# Altium PCB Monitoring.PcbDoc (part 1 of 2)
Units mil, origin at the board's own origin, x right, y up, seen from the top; angles counter-clockwise.
Board outline 4310 x 2295 mil, 4 copper layers (Top Layer, Internal Plane 1, Internal Plane 2, Bottom Layer), stack 18.2 mil thick; 117 components, 83 nets, 482 pads, 104 vias.
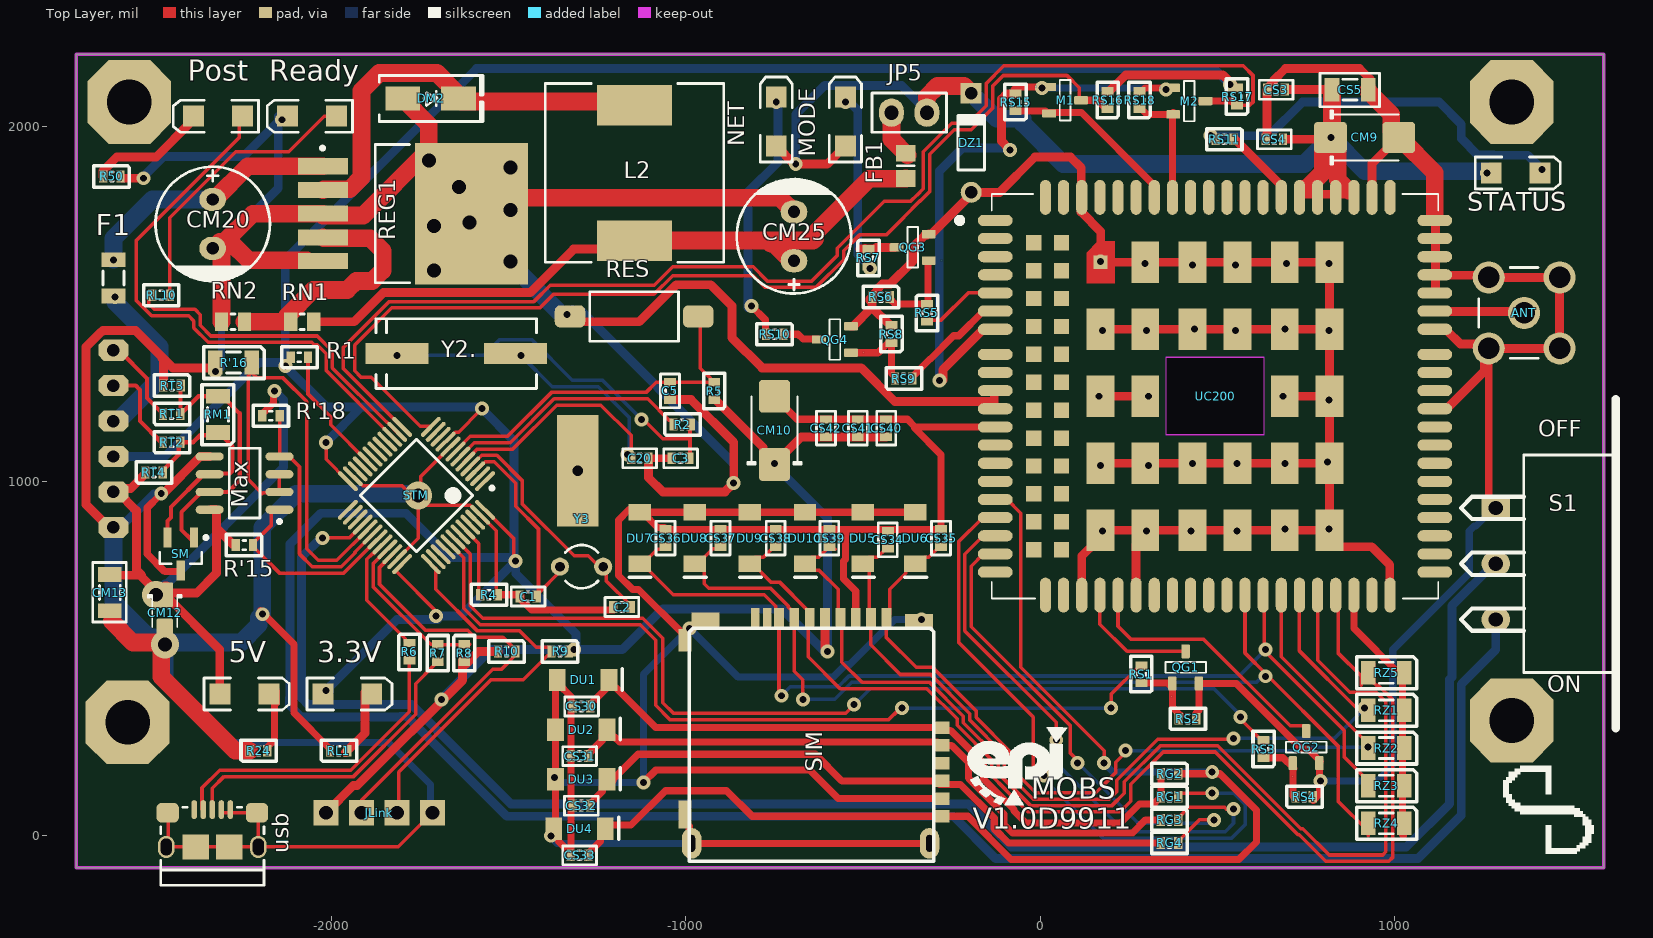
[diagram p0: Top Layer view]
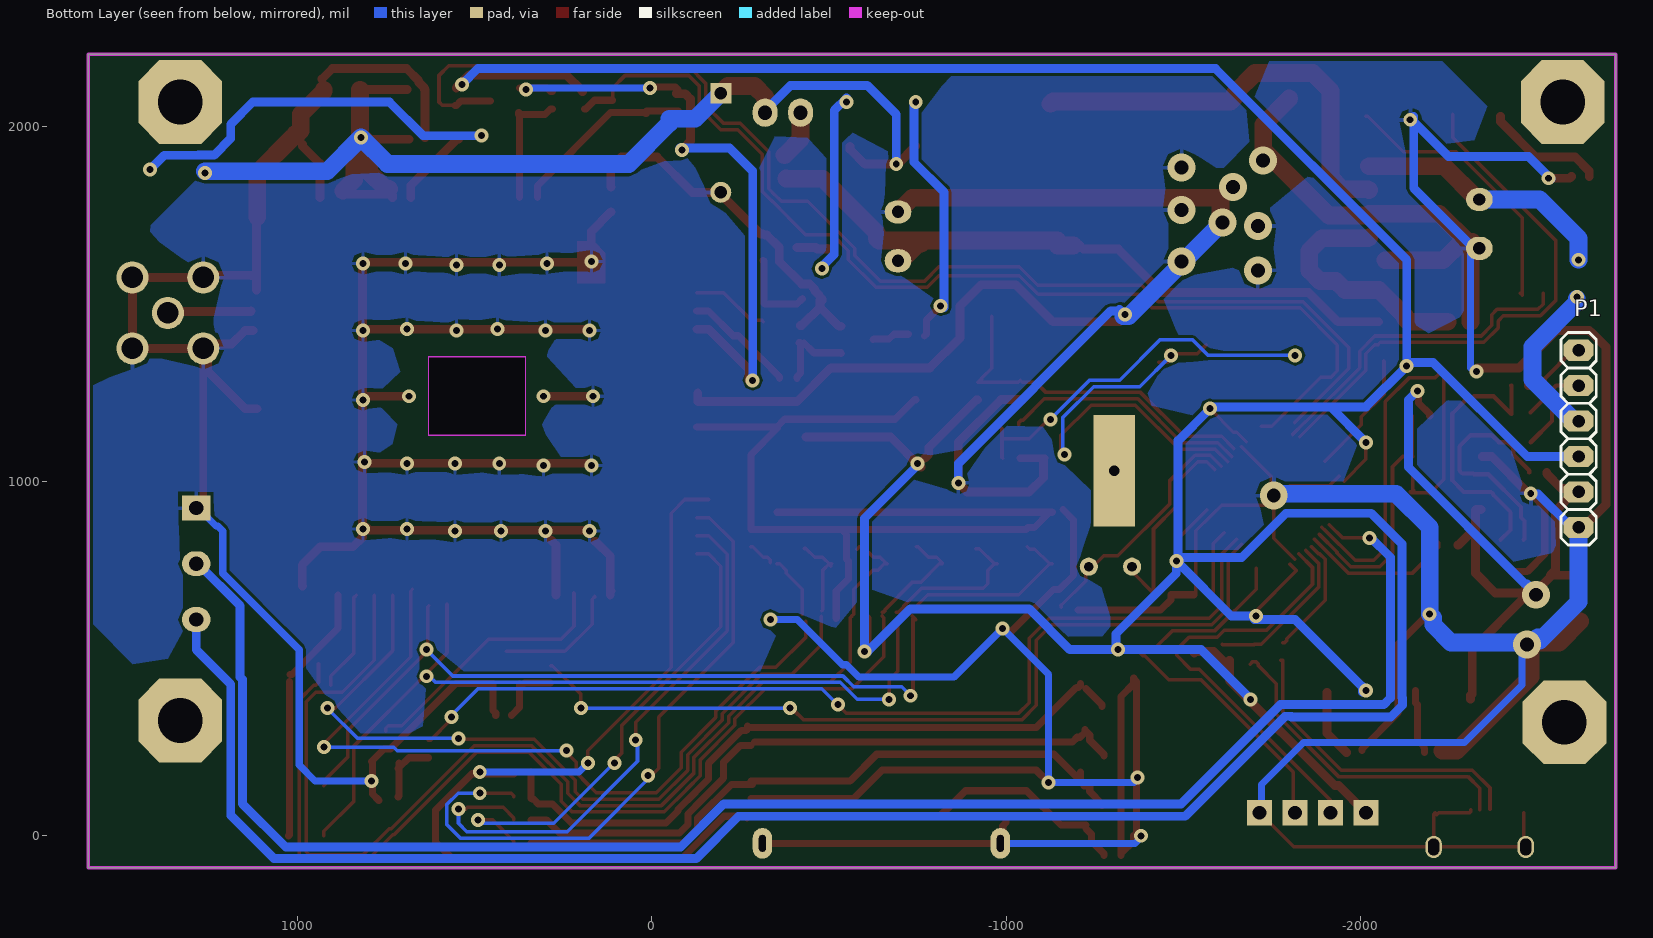
[diagram p1: Bottom Layer view, seen from below]
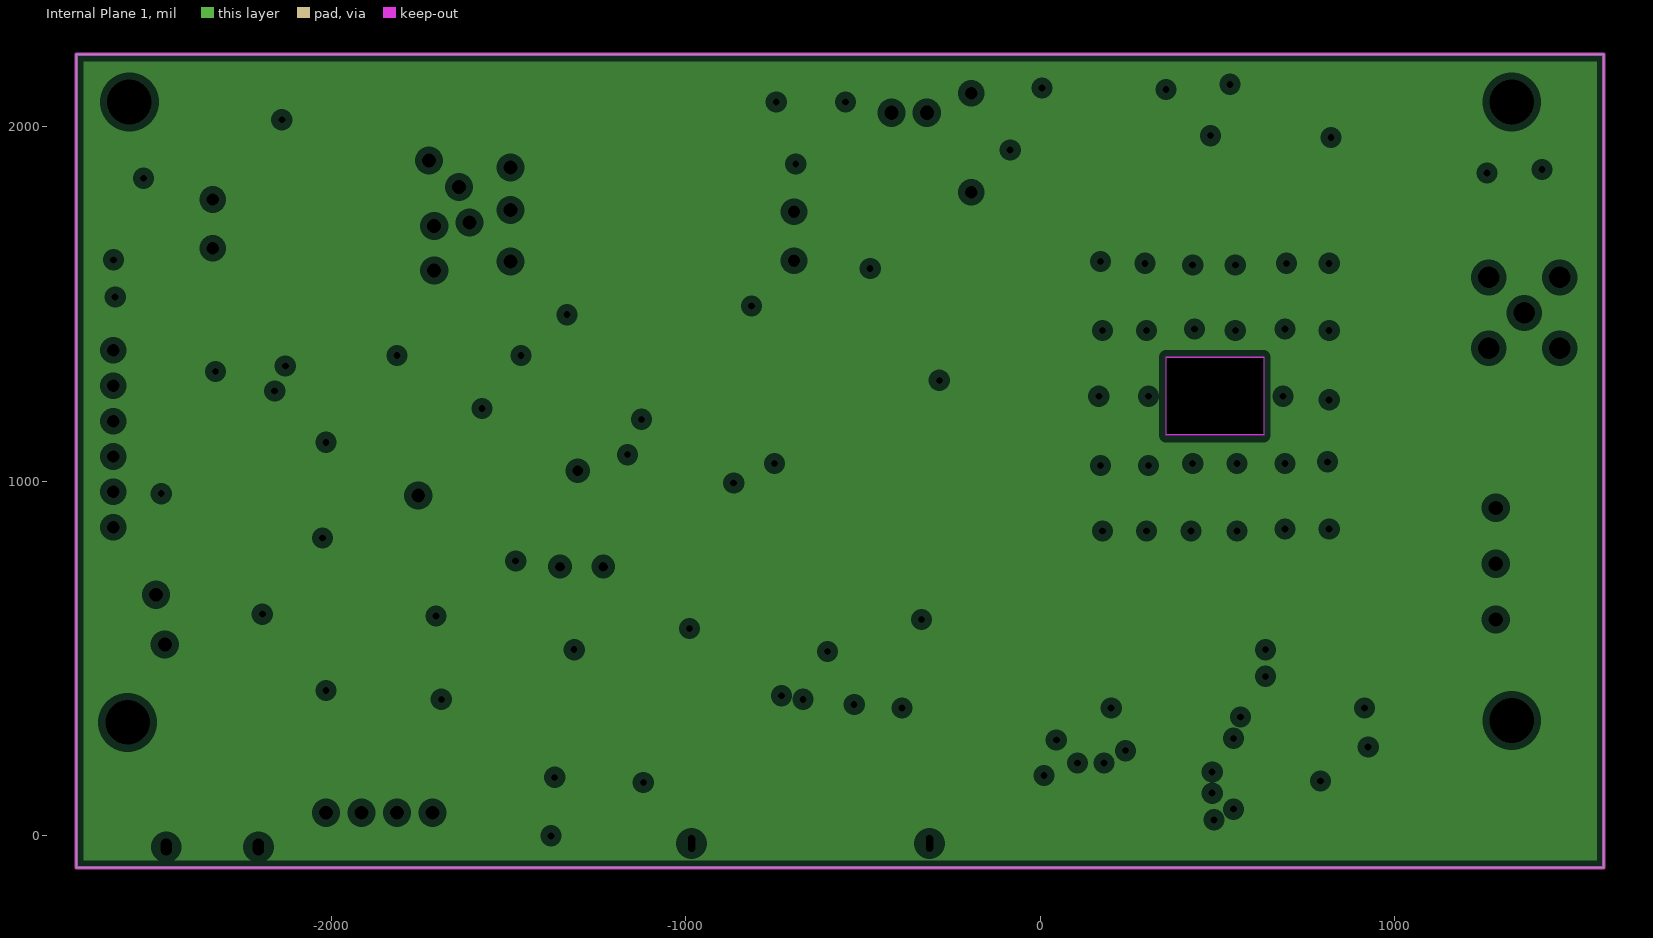
[diagram p2: Internal Plane 1, clearances drawn from the general rule]
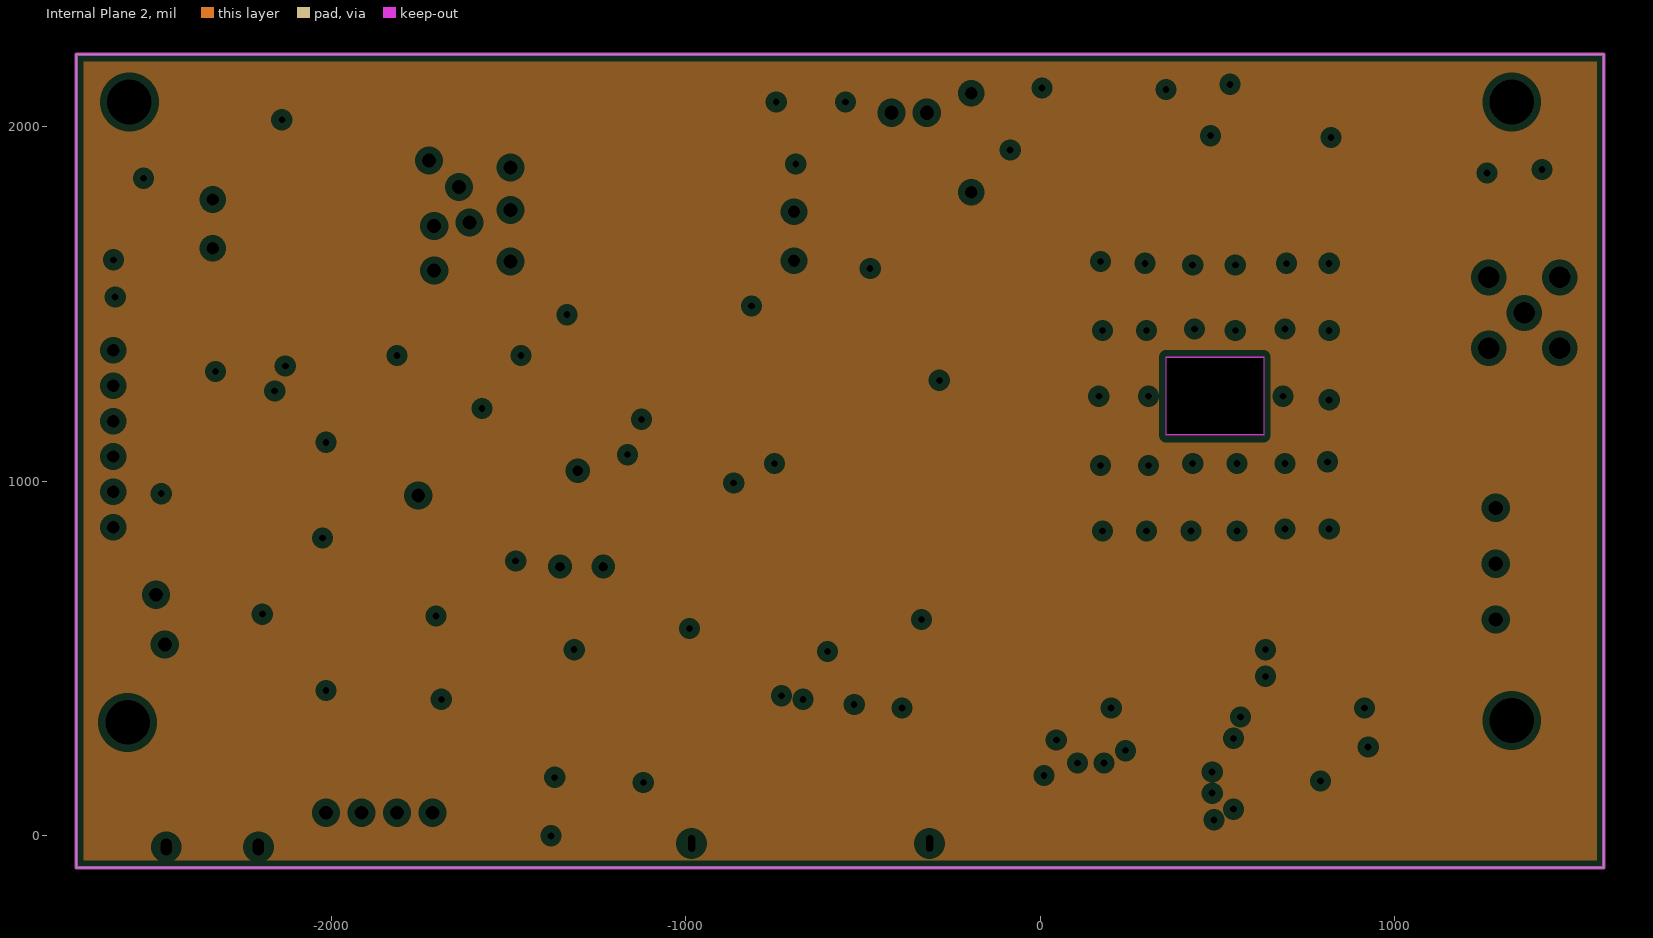
[diagram p3: Internal Plane 2, clearances drawn from the general rule]
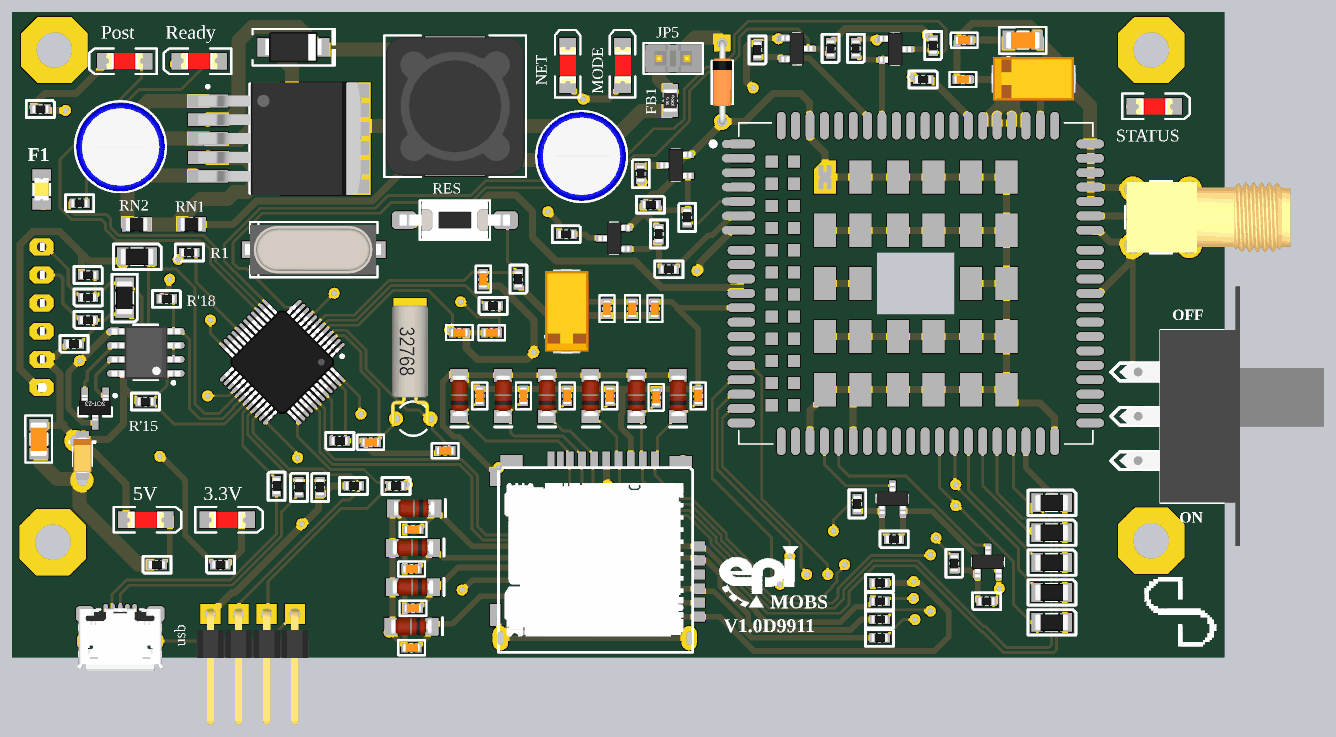
[diagram p5: 3D render of the assembled board from above, using the file's embedded part models]

## Layer stack, top to bottom
Top Solder: solder mask 0.4, Solder Resist, Dk 3.5
Top Layer: signal copper 1.4
Internal Plane 1: plane copper 1.4
Internal Plane 2: plane copper 1.4
Dielectric 1: dielectric 12.6, FR-4, Dk 4.8
Bottom Layer: signal copper 1.4
Bottom Solder: solder mask 0.4, Solder Resist, Dk 3.5

## Board outline
-2720,-90 -2720,2205 1590,2205 1590,-90
cut-out: 355,1350 630,1350 630,1130 355,1130

## Design rules (kind name [scope] priority, off if disabled: settings)
Clearance [All] p1: gap=7.87 ignorepadtopadclearanceinfootprint=FALSE except(0: Arc-Hole Track-Hole SMDPad-Hole THPad-Hole Via-Hole Fill-Hole Poly-Hole Region-Hole Text-Hole)
HoleSize [All] p1: absolutevalues=TRUE maxlimit=200 minlimit=1 maxpercent=80.000 minpercent=20.000
MinimumSolderMaskSliver [All] p1 off: minsoldermaskwidth=10
PlaneClearance [All] p1: clearance=20
PlaneConnect [All] p1: planeconnectstyle=Relief reliefexpansion=20 reliefentries=4 reliefconductorwidth=10 reliefairgap=10
PolygonConnect [All] p1: connectstyle=Relief reliefconductorwidth=10 reliefentries=4 polygonreliefangle="90 Angle" airgapwidth=10
RoomDefinition GSM [InComponentClass('GSM')] p1: confinementstyle=ConfineOut formatcopy=TRUE lockcomponents=FALSE outline 7000,3545 9225,3545 9225,2021.26 7000,2021.26
RoomDefinition Communication [InComponentClass('Communication')] p2: confinementstyle=ConfineOut formatcopy=TRUE lockcomponents=FALSE outline 6290,256.26 4450,256.26 4450,780 6290,780
RoomDefinition "Power GSM" [InComponentClass('Power GSM')] p3: confinementstyle=ConfineOut formatcopy=TRUE lockcomponents=FALSE outline -1830,4100 -2585,4100 -2585,2920 -1830,2920
RoomDefinition MCU [InComponentClass('MCU')] p4: confinementstyle=ConfineOut formatcopy=TRUE lockcomponents=FALSE outline -1220,3030 -635,3030 -635,2310 -1220,2310
RoomDefinition "Input Connector" [InComponentClass('Input Connector')] p5: confinementstyle=ConfineOut formatcopy=TRUE lockcomponents=FALSE outline -525,2505 -525,4240 725,4240 725,2505
RoutingVias [All] p1: holewidth=23.62 width=39.37 viastyle="Through Hole" minholewidth=19.68 minwidth=30 maxholewidth=43.31 maxwidth=82.68
SilkToBoardRegionClearance [All] p1 off:
SilkToSolderMaskClearance [IsPad] p1 off: minsilkscreentomaskgap=1 clearancetoexposedcopper=TRUE
SolderMaskExpansion [All] p1: expansion=4
Width [All] p1: maxlimit=100 minlimit=10 preferedwidth=10 minimp=50.000000 maximp=50.000000 favimp=50.000000
24 further rules are at their usual default settings.

## Classes and differential pairs
component class GSM: ANT CM10 CS30 CS31 CS32 CS33 CS34 CS35 CS36 CS37 CS38 CS39 CS40 CS41 CS42 DU1 DU2 DU3 DU4 DU5 DU6 DU7 DU8 DU9 DU10 M1 M2 MODE NET Post QG1 QG2 QG3 QG4 R50 Ready RG1 RG2 RG3 RG4 RL10 RS1 RS2 RS3 RS4 RS5 RS6 RS7 RS8 RS9 RS10 RS11 RS15 RS16 RS17 RS18 RZ1 RZ2 RZ3 RZ4 RZ5 SIM STATUS UC200
component class "Power GSM": CM9 CM20 CM25 CS3 CS4 CS5 DM2 DZ1 F1 FB1 JP5 L2 REG1 RN1 RN2
component class MCU: C1 C2 C3 C5 C20 JLink R1 R2 R4 R5 R6 R7 R8 R9 R10 RES S1 STM usb Y2. Y3
component class "Input Connector": 3.3V 5V P1 R24 RL1
component class Communication: CM12 CM13 Max R'15 R'16 R'18 RM1 RT1 RT2 RT3 RT4 SM

## Components (designator, comment, footprint, x,y, rotation, side; value= is the part's Value field where it differs from the comment)
3.3V "GREEN" "LED SMD 1206" -1955,400 r0 top
5V "RED" "LED SMD 1206" -2245,400 r0 top
ANT "SMA" "MOLEX SD-73100-0114" 1365,1475 r0 top
C1 "10pF" SMD_CAP_0603 -1445,675 r0 top
C2 "10pF" SMD_CAP_0603 -1180,645 r0 top
C3 "20pF" SMD_CAP_0603 -1015,1065 r180 top
C5 "1uF" SMD_CAP_0603 -1045,1255 r270 top
C20 "20pF" SMD_CAP_0603 -1130,1065 r0 top
CM9 "100uF" CAPMP6032X280N 915,1970 r0 top
CM10 "10uF" CAPMP6032X280N -750,1143.74 r90 top
CM12 "10uF" CAPMP3216X180N -2470,628.54 r270 top
CM13 "100nF" SMD_CAP_1206 -2625,737.2 r270 top
CM20 "100uF" "cap 03" -2335,1726.1 r90 top
CM25 "1000uF" "cap 03" -695,1691.1 r270 top
CS3 "33pF" SMD_CAP_0603 665,2105 r180 top
CS4 "10pF" SMD_CAP_0603 660,1965 r180 top
CS5 "100nF" SMD_CAP_1206 822.8,2105 r0 top
CS30 "33pF" SMD_CAP_0603 -1294.5,364.92 r180 top
CS31 "33pF" SMD_CAP_0603 -1300,224.95 r180 top
CS32 "33pF" SMD_CAP_0603 -1295,84.97 r180 top
CS33 "100nF" SMD_CAP_0603 -1300,-55 r180 top
CS34 "15pF" SMD_CAP_0603 -430,835 r90 top
CS35 "15pF" SMD_CAP_0603 -280,840 r90 top
CS36 "15pF" SMD_CAP_0603 -1057.35,840 r90 top
CS37 "15pF" SMD_CAP_0603 -901.88,840 r90 top
CS38 "15pF" SMD_CAP_0603 -746.41,840 r90 top
CS39 "15pF" SMD_CAP_0603 -595,840 r90 top
CS40 "100nF" SMD_CAP_0603 -435,1150 r270 top
CS41 "33pF" SMD_CAP_0603 -515,1150 r270 top
CS42 "33pF" SMD_CAP_0603 -605,1150 r270 top
DM2 "1N5822" "DO214AC SMA" -1720,2080 r0 top
DU1 "6.58V" Minimelf -1290,440 r0 top
DU2 "6.58V" Minimelf -1295,300.02 r0 top
DU3 "6.58V" Minimelf -1295,160.05 r0 top
DU4 "6.58V" Minimelf -1300,20.08 r0 top
DU5 "6.58V" Minimelf -500,840 r270 top
DU6 "6.58V" Minimelf -352.65,840 r270 top
DU7 "6.58V" Minimelf -1130,840 r270 top
DU8 "6.58V" Minimelf -974.53,840 r270 top
DU9 "6.58V" Minimelf -819.06,840 r270 top
DU10 "6.58V" Minimelf -663.59,840 r270 top
DZ1 "DZ5.1V 0.5W" DO-35 -195,1955 r90 top
F1 "Fuse 4A 1206" "Fuse SMD 1206" -2620,1570 r270 top
FB1 "BLM21PG" "R 0805 / 2012" -380,1890 r90 top value=220OHM
JLink "Header Male Right 1x4" "Header 1x4 male rightangle" -1815,65 r180 top
JP5 "Jumper" "Jumper Small - 2.54 - GRAY" -370,2040 r0 top
L2 "Inductor" "BOURNS SRR1280" -1145,1870 r270 top value=100uH2A
M1 "BSS138" SOT23-3 70,2075 r0 top
M2 "BSS138" SOT23-3 420.28,2072.6 r0 top
Max "MAX485ESA" SO8_NARROW_N -2245,995 r180 top
MODE "GREEN" "LED SMD 1206" -550,2015 r90 top
NET "RED" "LED SMD 1206" -745,2015 r90 top
P1 "Header 6H" "Female 6x1" -2615,1370 r270 bottom locked
Post "RED" "LED SMD 1206" -2320,2030 r180 top
QG1 "BC848" SOT23-3 410,475 r90 top
QG2 "BC848" SOT23-3 750,250 r90 top
QG3 "BC848" SOT23-3 -360,1660 r180 top
QG4 "BC848" SOT23-3 -579.72,1400 r180 top
R1 "10K" "RES 0603 (1608X06L)" -2115,1350 r0 top
R2 "390" "RES 0603 (1608X06L)" -1035,1160 r0 top
R4 "10K" "RES 0603 (1608X06L)" -1580,680 r0 top
R5 "10K" "RES 0603 (1608X06L)" -920,1230 r90 top
R6 "20R" "RES 0603 (1608X06L)" -1780,543.99 r270 top
R7 "20R" "RES 0603 (1608X06L)" -1700,540 r270 top
R8 "1.5K" "RES 0603 (1608X06L)" -1625,540 r270 top
R9 "10K" "RES 0603 (1608X06L)" -1330,520 r180 top
R10 "10K" "RES 0603 (1608X06L)" -1481.01,520 r180 top
R24 "1K" "RES 0603 (1608X06L)" -2230,240 r0 top
R50 "510" "RES 0603 (1608X06L)" -2595,1860 r180 top
R'15 "10k" "RES 0603 (1608X06L)" -2221.01,820 r180 top
R'16 "10K" "RES 1206 (3216X08L)" -2225,1335 r180 top
R'18 "10k" "RES 0603 (1608X06L)" -2146.01,1185 r180 top
Ready "GREEN" "LED SMD 1206" -2055,2030 r180 top
REG1 "LM2576-Adj" TO-263-5 -1770,1755 r0 top
RES "Button" "TE FSMSMTR" -1145.91,1465 r90 top
RG1 "20R" "RES 0603 (1608X06L)" 388.99,110 r180 top
RG2 "15K" "RES 0603 (1608X06L)" 388.99,175 r180 top
RG3 "20R" "RES 0603 (1608X06L)" 388.99,45 r180 top
RG4 "20R" "RES 0603 (1608X06L)" 388.99,-20 r180 top
RL1 "500" "RES 0603 (1608X06L)" -2003.99,240 r0 top
RL10 "470" "RES 0603 (1608X06L)" -2505,1525 r0 top
RM1 "150" "RES 1206 (3216X08L)" -2320,1137.8 r90 top
RN1 "2.2K" "RES 0805 (2012X06L)" -2050.04,1450 r180 top
RN2 "1K" "RES 0805 (2012X06L)" -2245,1450 r180 top
RS1 "4.7K" "RES 0603 (1608X06L)" 285,431.01 r90 top
RS2 "47K" "RES 0603 (1608X06L)" 391.01,330 r0 top
RS3 "4.7K" "RES 0603 (1608X06L)" 630,220 r90 top
RS4 "47K" "RES 0603 (1608X06L)" 720,110 r0 top
RS5 "4.7K" "RES 0603 (1608X06L)" -320,1500 r270 top
RS6 "47K" "RES 0603 (1608X06L)" -425,1520 r180 top
RS7 "680" "RES 0603 (1608X06L)" -485,1655 r270 top
RS8 "47K" "RES 0603 (1608X06L)" -420,1391.01 r90 top
RS9 "4.7K" "RES 0603 (1608X06L)" -410,1290 r0 top
RS10 "680" "RES 0603 (1608X06L)" -725,1415 r180 top
RS11 "2.2K" "RES 0603 (1608X06L)" 543.99,1965 r180 top
RS15 "10K" "RES 0603 (1608X06L)" -70,2045 r90 top
RS16 "10K" "RES 0603 (1608X06L)" 190,2051.01 r90 top
RS17 "10K" "RES 0603 (1608X06L)" 555,2061.01 r90 top
RS18 "10K" "RES 0603 (1608X06L)" 280,2051.01 r90 top
RT1 "20" "RES 0603 (1608X06L)" -2475,1190 r0 top
RT2 "20" "RES 0603 (1608X06L)" -2475,1110 r0 top
RT3 "1K" "RES 0603 (1608X06L)" -2425,1270 r180 top
RT4 "1K" "RES 0603 (1608X06L)" -2525,1025 r0 top
RZ1 "100K" "RES 1206 (3216X08L)" 1027.2,353.75 r180 top
RZ2 "100K" "RES 1206 (3216X08L)" 1027.2,247.5 r180 top
RZ3 "100K" "RES 1206 (3216X08L)" 1027.2,141.25 r180 top
RZ4 "100K" "RES 1206 (3216X08L)" 1027.2,35 r180 top
RZ5 "100K" "RES 1206 (3216X08L)" 1027.2,460 r180 top
S1 "Switch SPDT_Subminiator" "Switch - SPDT 15.5" 1285,767.52 r0 top
SIM "Socket_SIM_MEM" microsd&SimCardSocket -983.74,255 r270 top
SM "SM712 Diode" SOT23_BEC_M -2425,795 r270 top
STATUS "GREEN" "LED SMD 1206" 1341.1,1870 r0 top
STM "STM32F103CBT6" LQFP-48 -1760,960 r225 top
UC200 "Quectel UC200T" "Quectel UC200T" -137.09,1810.87 r0 top
usb "USB Micro" "FCI USB 10118193-0001LF" -2335.98,-29.49 r180 top
Y2. "8 MHz" "Crystal SMD" -1670,1360 r0 top
Y3 "32.768K" "XTAL RTC - Right" -1294.12,759.2 r90 top

## Footprints (in the part's own frame and the unit in brackets; to place one, negate y for a bottom-side part, rotate by r counter-clockwise, add the part's x,y. Pads: shape width x height; smd on the part's side, far side on the other; paste and mask are expansions set on the pad)
"BOURNS SRR1280" [mm] "Precision Wire Wound Inductor, 2-Leads, Body 12.50x12.50mm, IPC Medium Density"
  rect 2.9x5.4 smd: 1(-4.85,0) 2(4.85,0)
  silkscreen extent -6.4,-6.4 6.4,6.4, body extent -6.25,-6.25 6.25,6.25, height 7.9
"cap 03" [mil]
  oval 65x75 hole 35: 1(68.9,0) 2(-68.9,0)
  silkscreen extent -161,-161 161,161, body extent -159,-159 157,158, height 473
CAPMP3216X180N [mm] "Capacitor, polarized, Molded Body, EIA 535BAAC size A; 3.20mm L X 1.60mm W X 1.80mm H"
  round 0.508 on Mech15: 0(0,0)
  rrect25% 1.8x1.2 smd: 1(-1.3,0) 2(1.3,0)
  silkscreen extent -1.3,-1.2 1,1.2, body extent -1.6,-0.8 1.6,0.8, height 1.8
CAPMP6032X280N [mm] "Capacitor, polarized, Molded Body, EIA 535BAAC size C; 6.00mm L X 3.20mm W X 2.80mm H"
  round 0.508 on Mech15: 0(0,0)
  rrect25% 2.35x2.25 smd: 1(-2.45,0) 2(2.45,0)
  silkscreen extent -2.45,-1.95 2.45,1.95, body extent -3.87,-2.02 3.73,1.93, height 3.1
"Crystal SMD" [mm]
  rect 4.5x1.5 smd: 1(-3.683,0) 2(4.817,0)
  silkscreen extent -5.18,-2.5 6.32,2.5, body extent -5.64,-2.25 6.66,2.25, height 5.18
"DO214AC SMA" [mm]
  rect 2.5x1.7 smd: 1(-2,0) 2(2,0)
  silkscreen extent -3.68,-1.65 3.75,1.65, body extent -2.6,-1.37 2.6,1.37, height 2.4
DO-35 [mm] "Diode, Axial; Body 3.8 x 1.9 mm (LxDia. max), Lead Dia. 0.53 mm (max)"
  round 1.5 hole 0.9: 1(-3.55,0)
  rect 1.5x1.5 hole 0.9: 2(3.55,0)
  silkscreen extent -1.95,-0.95 2.05,0.95, body extent -3.82,-0.87 3.82,0.87, height 1.89
"FCI USB 10118193-0001LF" [mm]
  oval 0.4x1.35 smd: 1(1.3,-2.625) 2(0.65,-2.625) 3(0,-2.625) 4(-0.65,-2.625) 5(-1.3,-2.625)
  oval 1.2x1.6 hole 0.8 slot 1.2 at 90 deg: S(-3.3,0.05) S(3.3,0.05)
  rrect50% 1.6x1.4 smd: S(-3.2,-2.4) S(3.2,-2.4)
  rect 1.9x1.8 smd: S(-1.2,0.05) S(1.2,0.05)
  silkscreen extent -3.7,-2.8 3.7,2.8, body extent -3.93,-2.9 3.93,2.76, height 2.78
"Female 6x1" [mil]
  oct 60x85 hole 35: 1(0,0) 2(100,0) 3(200,0) 4(300,0) 5(400,0) 6(500,0)
  silkscreen extent -50,-50 550,50, body extent -60,-50 560,45, height 335
"Fuse SMD 1206" [mm]
  rect 1.05x1.7 smd: 1(-1.397,0.127) 2(1.199,0.127)
  silkscreen extent -0.6,-0.62 0.4,0.88, body extent -1.14,-0.51 0.89,0.76, height 0.2
"Header 1x4 male rightangle" [mm]
  rect 1.8x1.8 hole 1: 1(-2.54,0) 2(0,0) 3(2.54,0) 4(5.08,0)
  body extent -3.81,-0.38 6.35,9.98, height 2.64
"Jumper Small - 2.54 - GRAY" [mil]
  oval 70x80 hole 40: 1(-50,0) 2(50,0)
  silkscreen extent -105,-55 105,55, body extent -100,-50 100,50, height 337
"LED SMD 1206" [mm]
  rect 1.5x1.5 smd: 1(-1.75,0) 2(1.75,0)
  silkscreen extent -2.9,-1.15 3.2,1.15, body extent -1.65,-0.76 1.65,0.69, height 1.36
LQFP-48 [mm] "TSQFP, 48-Leads, Body 9,0x9,0mm (max), Pitch 0,50mm, IPC Medium Density"
  oval 1.9x0.3 smd: 1(-4.2,2.75) 2(-4.2,2.25) 3(-4.2,1.75) 4(-4.2,1.25) 5(-4.2,0.75) 6(-4.2,0.25) 7(-4.2,-0.25) 8(-4.2,-0.75) 9(-4.2,-1.25) 10(-4.2,-1.75) 11(-4.2,-2.25) 12(-4.2,-2.75) 25(4.2,-2.75) 26(4.2,-2.25) 27(4.2,-1.75) 28(4.2,-1.25) 29(4.2,-0.75) 30(4.2,-0.25) 31(4.2,0.25) 32(4.2,0.75) 33(4.2,1.25) 34(4.2,1.75) 35(4.2,2.25) 36(4.2,2.75)
  oval 0.3x1.9 smd: 13(-2.75,-4.2) 14(-2.25,-4.2) 15(-1.75,-4.2) 16(-1.25,-4.2) 17(-0.75,-4.2) 18(-0.25,-4.2) 19(0.25,-4.2) 20(0.75,-4.2) 21(1.25,-4.2) 22(1.75,-4.2) 23(2.25,-4.2) 24(2.75,-4.2) 37(2.75,4.2) 38(2.25,4.2) 39(1.75,4.2) 40(1.25,4.2) 41(0.75,4.2) 42(0.25,4.2) 43(-0.25,4.2) 44(-0.75,4.2) 45(-1.25,4.2) 46(-1.75,4.2) 47(-2.25,4.2) 48(-2.75,4.2)
  silkscreen extent -4.32,-2.85 2.85,3.57, body extent -4.5,-4.5 4.5,4.5, height 1.5
microsd&SimCardSocket [mm]
  rect 1.1x2 smd: 0(-8.955,1) 0(-8.88,16.28)
  rect 1.6x0.95 smd: 0(-7.53,-0.475)
  rect 2x0.95 smd: 0(4.94,-0.475)
  rrect100% 2.2x1.4 hole 0.5 slot 1.2 at 0 deg: 0(7.02,17.05)
  oval 2.2x1.4 hole 0.5 slot 1.2 at 0 deg: 0(7.02,0)
  rect 1.5x0.7 smd: 1(-9.08,6.26) 2(-9.08,7.36) 3(-9.08,8.46) 4(-9.08,9.56) 5(-9.08,10.66) 6(-9.08,11.76) 7(-9.08,12.86) 8(-9.08,13.96)
  rect 1.5x0.6 smd: A(-9.08,4.56) B(-9.08,5.41)
  rect 0.9x1.19 smd: C1(5.08,17.875) C2(2.54,17.875) C3(0,17.875) C5(3.81,17.875) C6(1.27,17.875) C7(-1.27,17.875)
  silkscreen extent -8.38,-0.17 8.29,17.36, body extent -6.98,0.37 6.87,16.51, height 1.68
Minimelf [mm]
  rect 1.2x1.6 smd: 1(-1.85,-0.013) 2(1.85,-0.013)
  silkscreen extent 2.8,-0.75 2.8,0.8, body extent -1.85,-0.77 1.85,0.8, height 1.6
"MOLEX SD-73100-0114" [mm]
  round 2.302 hole 1.54: G(-2.54,-2.54) G(2.54,-2.54)
  round 2.304 hole 1.54: G(-2.54,2.54) G(2.54,2.54) S(0,0)
  silkscreen extent -3.25,-3.25 1,3.25, body extent -3.12,-3.17 11.68,3.17, height 9.67
"Quectel UC200T" [mm]
  oval 2.5x0.8 smd: 1(0.25,-1.9) 2(0.25,-3.2) 3(0.25,-4.5) 4(0.25,-5.8) 5(0.25,-7.1) 6(0.25,-8.4) 7(0.25,-9.7) 8(0.25,-14.1) 8(0.25,-14.1) 9(0.25,-15.4) 10(0.25,-16.7) 11(0.25,-18) 12(0.25,-19.3) 13(0.25,-20.6) 14(0.25,-21.9) 15(0.25,-23.2) 16(0.25,-24.5) 17(0.25,-25.8) 18(0.25,-27.1) 37(31.75,-27.1) 38(31.75,-25.8) 39(31.75,-24.5) 40(31.75,-23.2) 41(31.75,-21.9) 42(31.75,-20.6) 43(31.75,-19.3) 44(31.75,-18) 45(31.75,-16.7) 46(31.75,-15.4) 47(31.75,-14.1) 48(31.75,-9.7) 49(31.75,-8.4) 50(31.75,-7.1) 51(31.75,-5.8) 52(31.75,-4.5) 53(31.75,-3.2) 54(31.75,-1.9) 141(0.25,-11.5) 142(0.25,-12.8) 143(31.75,-12.8) 144(31.75,-11.5)
  oval 0.8x2.5 smd: 19(6.45,-28.75) 20(7.75,-28.75) 21(9.05,-28.75) 22(10.35,-28.75) 23(11.65,-28.75) 24(12.95,-28.75) 25(14.25,-28.75) 26(15.55,-28.75) 27(16.85,-28.75) 28(18.15,-28.75) 29(19.45,-28.75) 30(20.75,-28.75) 31(22.05,-28.75) 32(23.35,-28.75) 33(24.65,-28.75) 34(25.95,-28.75) 35(27.25,-28.75) 36(28.55,-28.75) 55(28.55,-0.25) 56(27.25,-0.25) 57(25.95,-0.25) 58(24.65,-0.25) 59(23.35,-0.25) 60(22.05,-0.25) 61(20.75,-0.25) 62(19.45,-0.25) 63(18.15,-0.25) 64(16.85,-0.25) 65(15.55,-0.25) 66(14.25,-0.25) 67(12.95,-0.25) 68(11.65,-0.25) 69(10.35,-0.25) 70(9.05,-0.25) 71(7.75,-0.25) 72(6.45,-0.25) 113(5.15,-0.25) 114(3.85,-0.25) 115(5.15,-28.75) 116(3.85,-28.75)
  rect 2x3 smd: 85(24.2,-4.9) 86(24.2,-9.7) 87(24.2,-14.5) 88(24.2,-19.3) 89(24.2,-24.1) 89(24.2,-24.1) 90(21,-4.9) 91(21,-9.7) 92(21,-14.5) 93(21,-19.3) 94(21,-24.1) 95(17.6,-4.9) 96(17.6,-9.7) 97(17.6,-19.3) 98(17.6,-24.1) 99(14.4,-4.9) 100(14.4,-9.7) 101(14.4,-19.3) 102(14.4,-24.1) 103(11,-4.9) 104(11,-9.7) 105(11,-14.5) 106(11,-19.3) 107(11,-24.1) 109(7.8,-9.7) 110(7.8,-14.5) 111(7.8,-19.3) 112(7.8,-24.1)
  rect 1x1 smd: 108(7.81,-4.9)
  rect 1.1x1.1 smd: 117(5,-3.5) 118(5,-5.5) 119(5,-7.5) 120(5,-9.5) 121(5,-11.5) 122(5,-13.5) 123(5,-15.5) 124(5,-17.5) 125(5,-19.5) 126(5,-21.5) 127(5,-23.5) 128(5,-25.5) 129(3,-3.5) 130(3,-5.5) 131(3,-7.5) 132(3,-9.5) 133(3,-11.5) 134(3,-13.5) 135(3,-15.5) 136(3,-17.5) 137(3,-19.5) 138(3,-21.5) 139(3,-23.5) 140(3,-25.5)
  Top Layer region: 6.81,-6.4 8.81,-6.4 8.81,-3.4 7.61,-3.4 6.81,-4.2
  Keep-Out Layer region: 12.5,-11.66 19.5,-11.66 19.5,-17.26 12.5,-17.26
  silkscreen extent -2.5,-29 32,0, body extent -0.01,-29 32,0, height 2
"R 0805 / 2012" [mm]
  rect 1.2x1.4 smd: 1(-0.9,0) 2(0.9,0)
  silkscreen extent 0,-0.6 0,0.6, body extent -1,-0.63 1,0.62, height 0.45
"RES 0603 (1608X06L)" [mm] "Chip Resistor, 2-Leads, Body 1.6x0.8mm, IPC High Density _ (0.063W)"
  rect 0.6x0.85 smd: 1(0,0) 2(1.244,0)
  silkscreen extent -0.64,-0.76 1.91,0.76, body extent -0.14,-0.38 1.38,0.38, height 0.45
"RES 0805 (2012X06L)" [mm] "Chip Resistor, 2-Leads, Body 2.0x1.3mm, IPC High Density _ (0.100 W)"
  rect 0.95x1.3 smd: 1(0,0) 2(1.65,0)
  silkscreen extent 0.67,-0.55 0.97,0.55, body extent -0.19,-0.63 1.84,0.64, height 0.6
"RES 1206 (3216X08L)" [mm] "Chip Resistor, 2-Leads, Body 3.2x1.6mm, IPC High Density _ (0.125 W)"
  rect 1.05x1.7 smd: 1(0,0) 2(2.596,0)
  silkscreen extent -0.89,-1.14 3.43,1.14, body extent -0.23,-0.76 2.82,0.76, height 0.6
SMD_CAP_0603 [mm]
  rect 0.6x0.85 smd: 1(-0.622,0) 2(0.622,0)
  silkscreen extent -1.21,-0.67 1.2,0.68, body extent -0.76,-0.38 0.76,0.38, height 0.6
SMD_CAP_1206 [mm]
  rect 1.05x1.7 smd: 1(0,0) 2(2.596,0)
  silkscreen extent -0.85,-1.22 3.41,1.18, body extent -0.22,-0.77 2.82,0.75, height 0.75
SO8_NARROW_N [mm]
  oval 2x0.6 smd: 1(-2.5,1.905) 2(-2.5,0.635) 3(-2.5,-0.635) 4(-2.5,-1.905) 5(2.5,-1.905) 6(2.5,-0.635) 7(2.5,0.635) 8(2.5,1.905)
  silkscreen extent -2.63,-2.5 1.1,2.88, body extent -3.12,-2.39 3.07,2.44, height 1.7
SOT23-3 [mm] "SOT23, 3 pin"
  round 0.5 on Mech15: 0(0,0)
  rrect25% 1x0.6 smd: 1(-1.15,0.95) 2(-1.15,-0.95) 3(1.15,0)
  silkscreen extent -0.38,-1.45 0.38,1.45, body extent -1.4,-1.45 1.4,1.45, height 1.29
SOT23_BEC_M [mm] "SOT23, 3-Leads, Body 2.9x1.3mm, Pitch 0.95mm, Lead Span 2.4mm, IPC Low Density"
  rect 1.45x0.6 smd: 1(-1.175,0.95) 2(-1.175,-0.95) 3(1.175,0)
  silkscreen extent -1.3,-1.5 0.7,1.93, body extent -1.23,-1.45 1.07,1.45, height 1
"Switch - SPDT 15.5" [mil]
  rect 80x70 hole 40: 1(0,157.48)
  oval 80x70 hole 40: 2(0,0) 3(0,-157.48)
  silkscreen extent -98,-465 339,465, body extent -69,-462 660,462, height 356
"TE FSMSMTR" [mm]
  rrect50% 1.6x2.19 smd: 1(0,4.595) 2(0,-4.595)
  silkscreen extent -1.78,-3.17 1.78,3.17, body extent -1.75,-4.98 1.75,4.98, height 4.42
TO-263-5 [mm]
  rect 3.6x1.15 smd: 1(-6.45,3.4) 2(-6.45,1.7) 3(-6.45,0) 4(-6.45,-1.7) 5(-6.45,-3.4)
  rect 8.1x10.15 smd paste-5: 6(4.2,0)
  silkscreen extent -6.6,-4.95 -0.25,4.95, body extent -7.31,-5.08 7.33,5.08, height 4.57
"XTAL RTC - Right" [mm]
  round 1.3 hole 0.7: 1(0,1.55) 2(0,-1.55)
  rect 8x3 hole 0.762 unplated: 3(6.878,0.276)
  silkscreen extent -1.55,-1.19 1.55,1.17, body extent -0.54,-1.44 10.23,2.01, height 3.1

## Part data
3.3V 5V MODE NET Post Ready STATUS: library part LED, "Chip LED"
  MODE NET Post Ready STATUS: Price=845
ANT: library part "RF Connector - SMA", Price=42500
C1 C2 C3 C5 C20 CM13 CS3 CS4 CS5 CS30 CS31 CS32 CS33 CS34 CS35 CS36 CS37 CS38 CS39 CS40 CS41: library part Cap-Bipolar, "Bipolar Capacitor", Voltage=100V
  C1 C2 CS4: ComponentLink1Description="Buy Link", ComponentLink1URL=http://nikushop.com/index.php?id_product=9021&controller=product&search_query=10PF-0603&results=1, Price=1173
  C3 C20 CS3 CS30 CS31 CS32 CS33 CS34 CS35 CS36 CS37 CS38 CS39 CS40 CS41: ComponentLink1Description="Buy Link", ComponentLink1URL=http://nikushop.com/index.php?id_product=9033&controller=product, Price=902
  C5: ComponentLink1Description="Buy Link", ComponentLink1URL=http://nikushop.com/index.php?id_product=13570&controller=product&search_query=1uF-0603&results=1, Price=2346
  CM13 CS5: Adding Date=1387/12/20, Designer="Saeid Jorablo", Organazation=ControTec
CM9 CM10 CM12: library part Cap-Polar, "Polar Capacitor", Voltage=16V, Adding Date=1387/12/20, Designer="Saeid Jorablo", Organazation=ControTec
CM20: library part Cap-Polar, "Polar Capacitor", Voltage=63V, Adding Date=1387/12/20, Designer="Saeid Jorablo", Organazation=ControTec
CM25: library part Cap-Polar, "Polar Capacitor", Voltage=25V, Adding Date=1387/12/20, Designer="Saeid Jorablo", Organazation=ControTec
CS42: library part Cap-Bipolar, "Bipolar Capacitor", Voltage=10pF, ComponentLink1Description="Buy Link", ComponentLink1URL=http://nikushop.com/index.php?id_product=9033&controller=product, Price=902
DM2: library part "Diode 1N4148", "High Conductance Fast Diode", Code_JEDEC=DO-204-AH, ComponentLink1Description="Manufacturer Link", ComponentLink1URL=http://www.fairchildsemi.com/, ComponentLink2Description=Datasheet, ComponentLink2URL=http://www.fairchildsemi.com/ds/1N%2F1N4148.pdf, DatasheetVersion=1997, LatestRevisionDate=17-Jul-2002, LatestRevisionNote="Re-released for DXP Platform.", PackageDescription="Diode, Axial; Body 3.8 x 1.9 mm (LxDia. max), Lead Dia. 0.53 mm (max)", PackageReference=DO-35, Published=8-Jun-2000, Publisher="Altium Limited"
DU1 DU2 DU3 DU4 DU5 DU6 DU7 DU8 DU9 DU10: library part "Diode Zener", "Zener Diode"
DZ1: library part "D Zener", "Zener Diode", Voltage=5.1, Price=1840
F1: library part "Fuse 2", "Fuse", Current=0.5A, LatestRevisionDate=17-Jul-2002, LatestRevisionNote="Re-released for DXP Platform.", PackageDescription="Thru-Hole; 2 Leads", PackageReference=PIN-W2/E2.8, Published=8-Jun-2000, Publisher="Altium Limited"
FB1: library part Inductor, "Inductor", Code_IEC=1005, Code_JEITA=0402, LatestRevisionDate=29-May-2009, LatestRevisionNote="IPC-7351 Footprint Added.", PackageDescription="Chip Inductor", PackageReference=0805, Published=8-Jun-2000, Publisher="Altium Limited"
JLink: library part "Header 1*4"
M1 M2: library part 2N7002ET1G, Manufacturer="On Semiconductor", Package Type=SOT-23-3, Supplier Part Number 1=2N7002ET1GOSTR-ND, Channel Polarity="N Channel", Ciss Typ (pF)=26.7, ComponentLink1Description="Manufacturer URL", ComponentLink1URL=http://www.onsemi.com/, ComponentLink2Description=Datasheet, ComponentLink2URL=http://www.onsemi.com/pub_link/Collateral/2N7002E-D.PDF, ComponentLink3Description="Package Specification", ComponentLink3URL=http://www.onsemi.cn/pub_link/Collateral/318-08.PDF, Configuration=Single, Coss Typ (pF)=4.6, Crss Typ (pF)=2.9, DatasheetVersion="Rev. 3", ID Max (A)=0.31, Mounting Technology="Surface Mount", PackageDescription="3-Pin Small Outline Transistor, Body 2.92 x 1.3 mm, Pitch 0.95 mm", PackageReference=SOT-23-3-318-08, PackageVersion="Rev. AP, 11/2009", Packing="Tape and Reel", PartNumber=2N7002ET1G, RoHS=Pb-Free, Supplier 1=Digi-Key, Supplier 2=Digi-Key, Supplier 3=Digi-Key, Supplier 4=Farnell, Supplier 5=Farnell, Supplier 6=Newark, Supplier 7=Newark, Supplier 8=Mouser, Supplier Part Number 2=2N7002ET1GOSCT-ND, Supplier Part Number 3=2N7002ET1GOSDKR-ND, Supplier Part Number 4=2317895, Supplier Part Number 5=2317616, Supplier Part Number 6=09R9861, Supplier Part Number 7=50M2216, Supplier Part Number 8=863-2N7002ET1G, V(BR)DSS Min (V)=60, VGS(th) Max (V)=2.5, VGS Max (V)=20
Max: library part MAX485CPA, Price=14700
P1: "Header, 6-Pin, Right Angle", LatestRevisionDate=17-Jul-2002, LatestRevisionNote="Re-released for DXP Platform.", Publisher="Altium Limited"
QG1 QG2 QG3 QG4: library part NPN_MMBT3904, "Transistor SMD NPN 40V 0.2A 250mW SOT-23", Manufacturer 1="Fairchild Semiconductor", Manufacturer 2="NXP Semiconductors", Manufacturer Part Number 2=PMBT3904,215, Package / Case=SOT-23, Ratings="40V; 200mA; 250mW", Supplier Part Number 1=MMBT3904FSCT-ND, ComponentLink1Description=http://www.fairchildsemi.com/ds/MM/MMBT3904.pdf, ComponentLink1URL=http://www.fairchildsemi.com/ds/MM/MMBT3904.pdf, ComponentLink2Description=http://www.nxp.com/documents/data_sheet/PMBT3904.pdf, ComponentLink2URL=http://www.nxp.com/documents/data_sheet/PMBT3904.pdf, Manufacturer Part Number 1=BC848, Material=Si, Mounting Type="Surface Mount", SCDType=source, Supplier 1=Digi-Key, Supplier 2=Digi-Key, Supplier Part Number 2=568-1741-1-ND, Transistor Type=NPN
R1 R4 R5 R6 R7 R8 R9 R10 RG1 RG2 RG3 RG4 RZ1 RZ2 RZ3 RZ4 RZ5: library part Resistor, "Resistor", ComponentLink1Description="Buy Link"
  R1 R4 R5 R9 R10: ComponentLink1URL=http://www.roboeq.ir/products/detail/%D9%85%D9%82%D8%A7%D9%88%D9%85%D8%AA%2010%20%DA%A9%DB%8C%D9%84%D9%88%20%D8%A7%D9%87%D9%85%20SMD%200603/, Price=394
  R6 R7 RG1 RG2 RG3 RG4 RZ1 RZ2 RZ3 RZ4 RZ5: ComponentLink1URL="20R Resistor R5, R6 RES 0603 (1608X06L) Resistor 2 276 552 http://nikushop.com/index.php?id_product=13587&controller=product", Price=276
  R8: ComponentLink1URL=http://kaelectronic.ir/index.php?route=product/product&product_id=6863&search=15kohm+0603, Price=597
R2 R24 R50 R'15 R'16 R'18 RL1 RL10 RM1 RN1 RN2 RS1 RS2 RS3 RS4 RS5 RS6 RS7 RS8 RS9 RS10 RS11 RS15 RS16 RS17 RS18 RT1 RT2 RT3 RT4: library part Resistor, "Resistor", Power=1/4W
  R50: Price=276
  R'15 R'16 R'18 RM1 RS15 RS16 RS17 RS18 RT1 RT2 RT3 RT4: Price=394
  RN1: Price=506
  RN2: Price=680
REG1: library part LM2596, Price=5700
RES: library part "SPST-NO 2 PIN", ComponentLink1Description="Buy Link", ComponentLink1URL=https://eshop.eca.ir/%D8%AA%DA%A9-%D8%B3%D9%88%D8%A6%DB%8C%DA%86/6472-%D8%AA%DA%A9-%D8%B3%D9%88%D8%A6%DB%8C%DA%86-smd-%D8%B3%D8%A7%DB%8C%D8%B2-3x6x25-%D8%B2%D8%B1%D8%AF-%D8%A8%D8%B3%D8%AA%D9%87-10-%D8%AA%D8%A7%DB%8C%DB%8C.html, Price=1900
S1: "Subminiator SPDT Switch", Company=E.P.I.L, Design Date=2011/11/02
STM: "STM32 ARM-based 32-bit MCU with 128 Kbytes Flash, 48-pin LQFP, Industrial Temperature", ComponentLink1Description="Manufacturer Link", ComponentLink1URL=www.st.com/stm32, ComponentLink2Description=Datasheet, ComponentLink2URL=http://www.st.com/stonline/products/literature/ds/13587.pdf, DatasheetVersion="rev6, Mar-2008", PackageDescription="48-Pin Low-Profile Quad Flat Pack, 7 x 7 mm Body, 0.5 mm Pitch (LQFP48)", PackageReference=LQFP48, PackageVersion=Mar-2008, Published=30-May-2008, Publisher="Altium Limited"
usb: library part "USB 2.0 Type B Micro", ComponentLink1Description="Buy Link", ComponentLink1URL=http://nikushop.com/index.php?id_product=11066&controller=product, Price=14934
Y2. Y3: library part XTAL, "XTAL Crystal"
  Y2.: Price=20000
  Y3: ComponentLink1Description="Buy Link", ComponentLink1URL=http://www.roboeq.ir/products/detail/%DA%A9%D8%B1%DB%8C%D8%B3%D8%AA%D8%A7%D9%84%2032.768%20%DA%A9%DB%8C%D9%84%D9%88%D9%87%D8%B1%D8%AA%D8%B2/, Price=5900
JP5: Company=E.P.I.L, Defualt State=Close, Design Date=2011/11/02
L2: Code_IEC=1005, Code_JEITA=0402, LatestRevisionDate=29-May-2009, LatestRevisionNote="IPC-7351 Footprint Added.", PackageDescription="Chip Inductor", PackageReference=0402-A, Published=8-Jun-2000, Publisher="Altium Limited"
SIM: Price=166770

## Free pads (board coordinates)
  oct 236.22x236.22 hole 125.98: 0(-2575,320) 0(-2570,2070) 0(1330,325) 0(1330,2070)

## Via types
v1: diameter 39.37, hole 19.68, Top Layer to Bottom Layer, 93 vias
v2: diameter 78.74, hole 39.37, Top Layer to Bottom Layer, 11 vias

## Nets (pads, with @x,y where several pads share a name; then routed paths per layer and width w, separated by ;. In a path a pad name is that pad's centre, name@x,y a point inside that pad or via, vN(x,y) a via of type N, cw(c..) or ccw(c..) an arc to the next point about the centre after c; other vN are vias at no path point)
3.3v: 3.3V.1 CM10.1 CS40.2 CS41.2 CS42.2 JLink.4 P1.4 R1.1 R5.1 R8.2 R9.1 R10.2 RS16.2 RS17.2 S1.3 SIM.4 STM.9 STM.24 STM.36 STM.48 | length 15506.6
  Top Layer w10: v1@-2015,1100 -2015,1061.89 STM.24@-1953.48,1000.37 ; STM.36@-1800.37,766.52 -1818.51,748.38 -1818.51,747.19 v1@-1700,628.68 ; STM.9@-1677.88,1111.72 -1677.39,1111.72 -1650.25,1138.85 -1641.15,1138.85 v1@-1580,1200 ; STM.48@-1566.52,919.63 -1485,838.11 v1@-1485,775
  Top Layer w25: JLink.4@-2015,65 -1938.25,141.75 -1927.09,141.75 -1630,438.84 R8.2@-1630,495 ; R8.2@-1620,485 -1585,520 R10.2@-1530,520 -1530,516.46 R10.2@-1530.69,515.77 ; R5.1@-920,1230 -916.46,1230 -781.79,1095.33 -781.79,1076.79 CM10.1@-770,1065 ; CM10.1@-760,1040 -759.25,1040 -673.75,1125.5 CS42.2@-605,1125.5 CS41.2@-515,1125.5 CS40.2@-435,1125.5 ; SIM.4@-606.01,612.57 -606.08,613.76 SIM.4@-607.36,612.48 -607.36,531.25 -600,523.89 v1(-600,520) ; RS16.2@195,2100 241.75,2146.75 514.7,2146.75 RS17.2@551.46,2110
  Bottom Layer w25: P1.4@-2615,1070 -2470,1070 -2205,1335 v1@-2140,1335 ; v1(-2130,1325) -2015,1210 -1915,1210 ; -2130,1345 -2130,1625 -1590.37,2164.63 490.37,2164.63 v1(535,2120) ; v1(-2015,1110) -1915,1210 ; v1@-2005,405 -2005,420.75 -1815.75,610 v1@-1700,610 ; -1805,335 -2085,335 -2118.29,368.29 -2118.29,389 -2117.13,390.17 -2117.13,822.87 -2030,910 -1789.49,910 -1664.49,785 -1485,785 -1485,1115 v1(-1575,1205) ; -1805,337.07 -1787.07,337.07 -1505,55 -245,55 -125.37,-64.63 1065.37,-64.63 1187.5,57.5 1187.5,427.5 1285,525 S1.3@1285,610.04 ; v1(-1705,620) -1635,620 v1@-1485,770 ; v1@-1690,390 -1689.69,389.69 -1685.31,389.69 -1550,525 v1(-1315,525) v1@-1310,525 ; v1@-1580,1210 -1915,1210 ; v1(-1480,775) -1480,740 -1310,570 v1@-1310,525 ; -1065,640 -1180,525 v1@-1310,525 ; -1060,640 -730,640 v1@-610,520 ; v1@-750,1045 -600,895 v1(-600,520)
  other v1: -1690,385 -2015,410 -750,1050
9V: F1.2 P1.3 | length 458.2
  Bottom Layer w50: P1.3@-2615,1170 -2602.14,1170 -2485,1287.14 -2485,1380 -2610,1505 v1@-2610,1515
  other v1: -2610,1520
485+_Comm: Max.6 RM1.1 RT2.2 RT4.2 SM.2 | length 662.4
  Top Layer w12: RT4.2@-2476.01,1025 -2476.01,1029.92 -2430.66,1075.27 -2430.66,1099.34 RT2.2@-2425,1105 ; SM.2@-2460,835 -2462.39,837.39 -2462.39,887.8 -2452.5,897.7 -2452.5,927.5 -2360,1020 Max.6@-2343.43,1020 -2320,1020 -2317.78,1022.22 -2286.52,1022.22 -2278.75,1030 -2278.75,1098.75 -2310,1130 -2370,1130 -2390,1110 -2415,1110 RT2.2@-2430,1095
485-_Comm: Max.7 RM1.2 RT1.2 RT3.1 SM.1 | length 739.5
  Top Layer w12: RT1.2@-2425,1190 -2425.5,1190.5 -2425.5,1269.5 RT3.1@-2425,1270 ; RT1.2@-2420,1195 -2375,1240 RM1.2@-2320,1240 ; SM.1@-2395,835 -2422.6,862.6 -2422.6,912.99 -2373.21,962.38 -2373.21,964.63 -2367.84,970 Max.7@-2345,970 ; Max.7@-2340,970 Max.7@-2315.87,970 ; Max.7@-2310,970 -2291.06,970 -2258.87,1002.18 -2258.87,1191.67 -2300,1232.8 RM1.2@-2300,1245
A11: R6.1 STM.32 | length 342.5
  Top Layer w10: STM.32@-1860.98,815.98 -1881.89,795.07 -1884.93,795.07 -1900,780 -1900,663.99 -1791.73,555.72 -1791.73,550.8 -1784.92,543.99 R6.1@-1780,543.99
A12: R7.1 R8.1 STM.33 | length 458.3
  Top Layer w10: STM.33@-1845,805 -1845.4,805 -1882.13,768.28 -1882.13,701.85 -1802.26,621.99 -1801.99,621.99 -1720,540 R7.1@-1700,540 -1699.5,539.5 -1610.5,539.5 R8.1@-1610,540
A15: STM.38
B12: STM.25
B13: STM.26
B14: STM.27
B15: S1.2 STM.28 | length 4802.4
  Top Layer w10: v1@-2020,835 -2014.18,840.82 -1948.78,840.82 STM.28@-1911.72,877.88
  Bottom Layer w25: v1@-2027.5,842.5 -2084.25,785.75 -2084.25,389 -2065.19,369.94 -1773.45,369.94 ; -1775,370 -1773.51,370 -1773.45,369.94 ; S1.2@1285,767.52 1280,767.52 1161.24,648.76 1161.24,447.73 1154.63,441.12 1154.63,90.37 1032.5,-31.75 -81.62,-31.75 -203.38,90 -1493.51,90 -1773.45,369.94
  other v1: -2025,840
C13: Post.1 STM.15 | length 1564.7
  Top Layer w10: Post.1@-2260,2035 -2260,1970 -2550,1680 -2550,1509.72 -2507.4,1467.13 -2402.87,1467.13 -2387.87,1452.13 -2387.87,1432.6 -2347.4,1392.13 -2055,1392.13 -2050,1387.13 ; -2050,1385 -2040,1385 -2015,1360 -2015,1312.44 STM.15@-1828.21,1125.64
ChA_Mon: P1.2 RT2.1 | length 241.9
  Top Layer w12: P1.2@-2600,1280 -2590,1270 -2552.03,1270 -2540,1257.97 -2540,1170 RT2.1@-2480,1110
ChB_Mon: P1.1 RT1.1 | length 226.1
  Top Layer w12: P1.1@-2600,1370 -2520.13,1290.13 -2520.13,1235.13 RT1.1@-2478.99,1193.99
Co1: STM.2
Co2: STM.17
CS485_Comm: Max.2 Max.3 R'16.1 STM.29 | length 1321.9
  Top Layer w10: R'16.1@-2225,1320 -2225,1307.2 -2235,1297.2 -2235,1005 -2195,965 -2192.61,967.39 -2142.61,967.39 Max.2@-2140,970 ; R'16.1@-2220,1315 -2220,1302.2 -2209.33,1291.54 -2136.54,1291.54 -2070,1225 -2070,810 -2037.02,777.02 -1984.74,777.02 STM.29@-1897.8,863.96 ; Max.2@-2150,975 -2147.87,975 -2146.57,976.29 Max.3@-2146.57,1020 ; STM.29@-1897.16,863.32 STM.29@-1890.24,870.24